# Altium PCB Layout.PcbDoc (part 1 of 4)
Units mil, origin at the board's own origin, x right, y up, seen from the top; angles counter-clockwise.
Board outline 10232.28 x 5133.86 mil, 4 copper layers (Top Layer, Mid 1, Mid 2, Bottom Layer), stack 23.756 mil thick; 494 components, 257 nets, 1544 pads, 835 vias.
Unrouted connection lines stored in the file: 4.
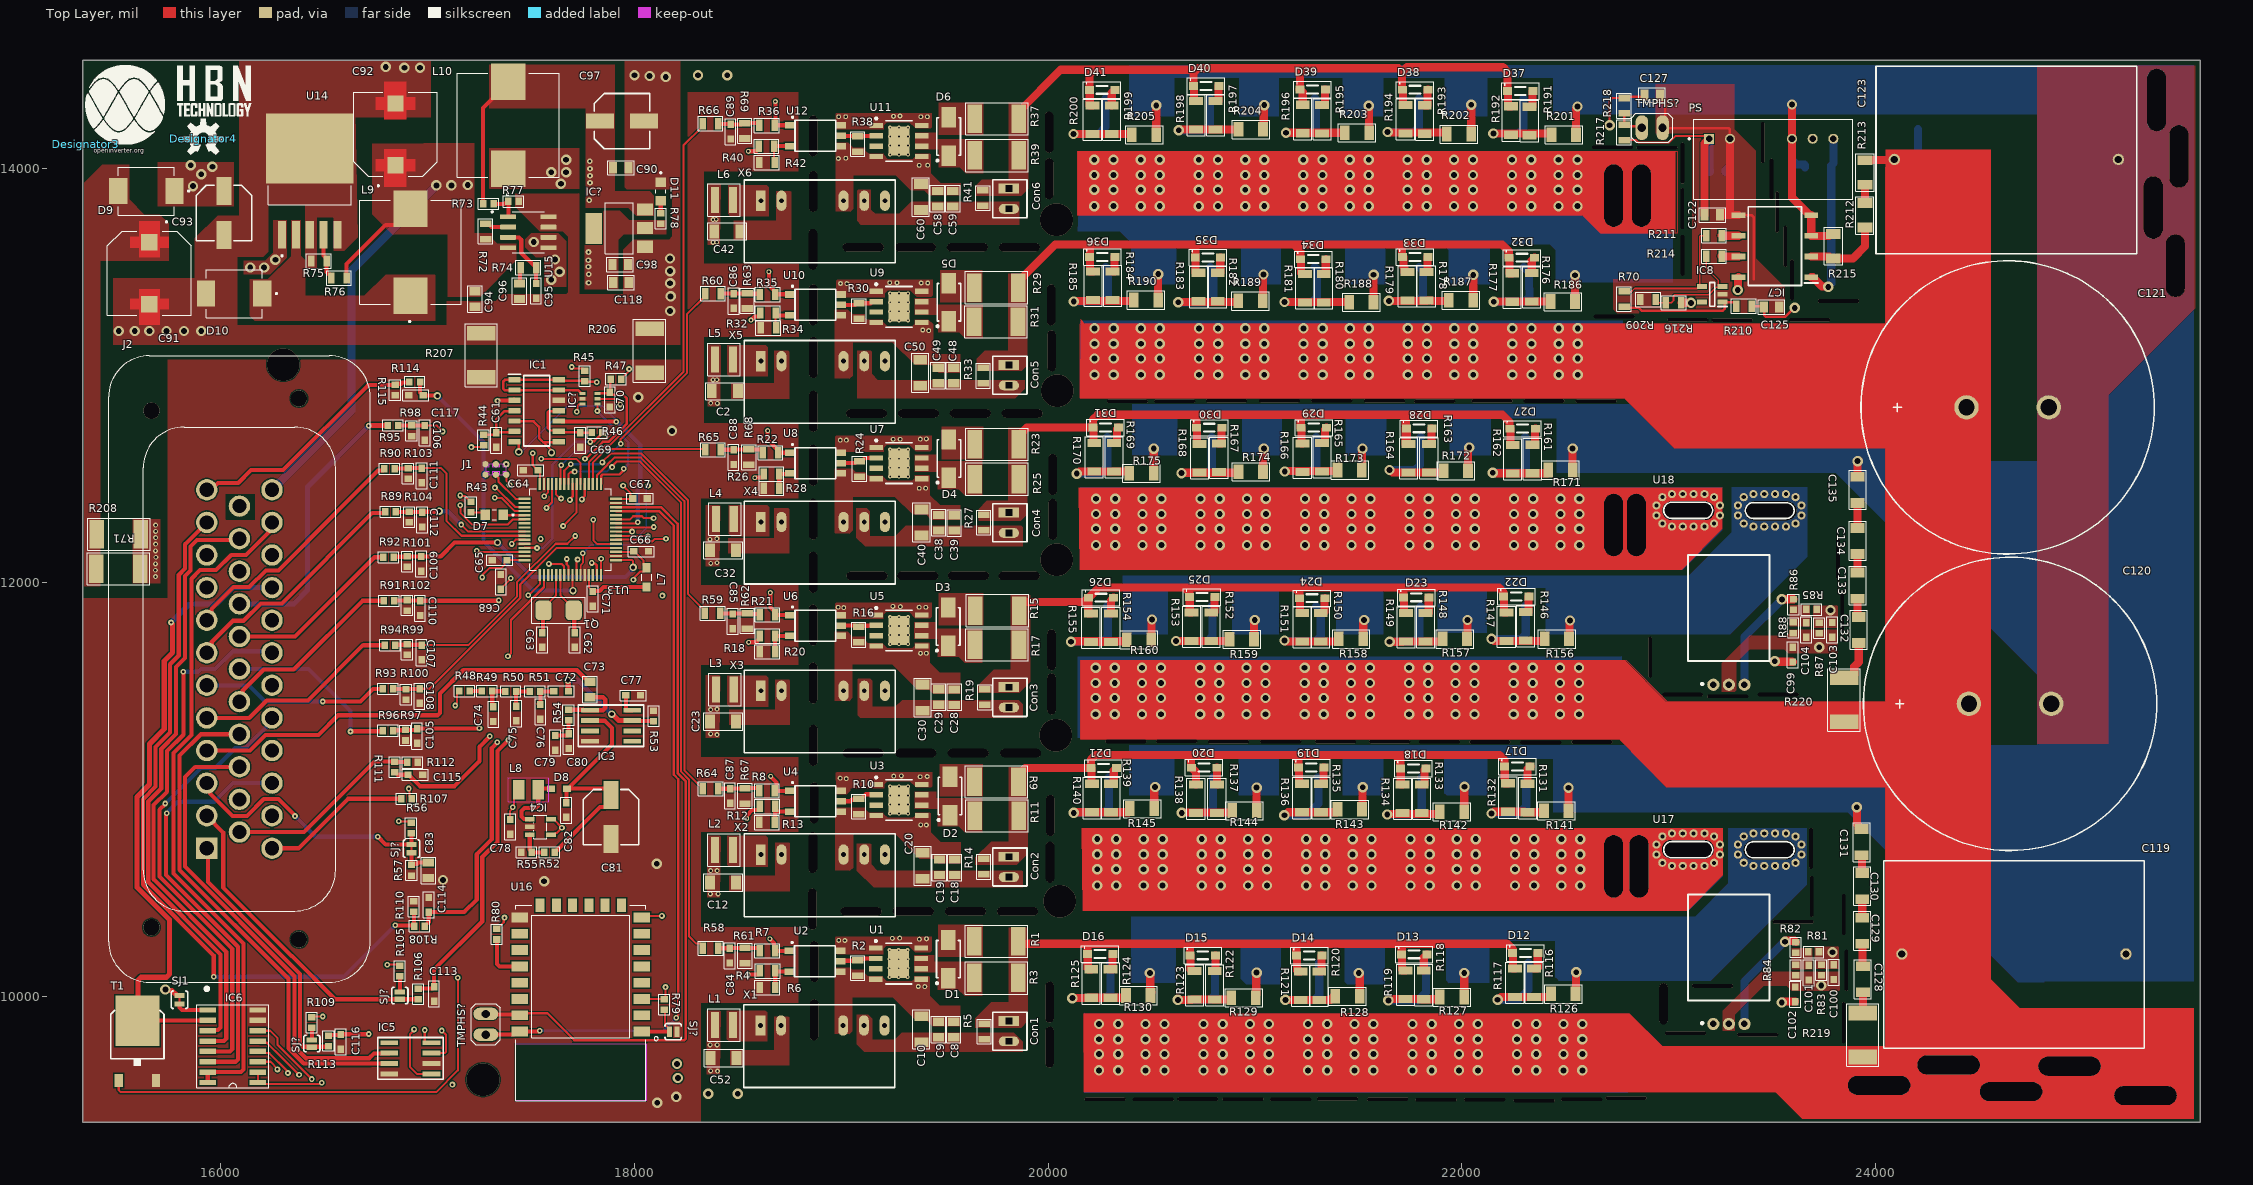
[diagram p0: Top Layer view]
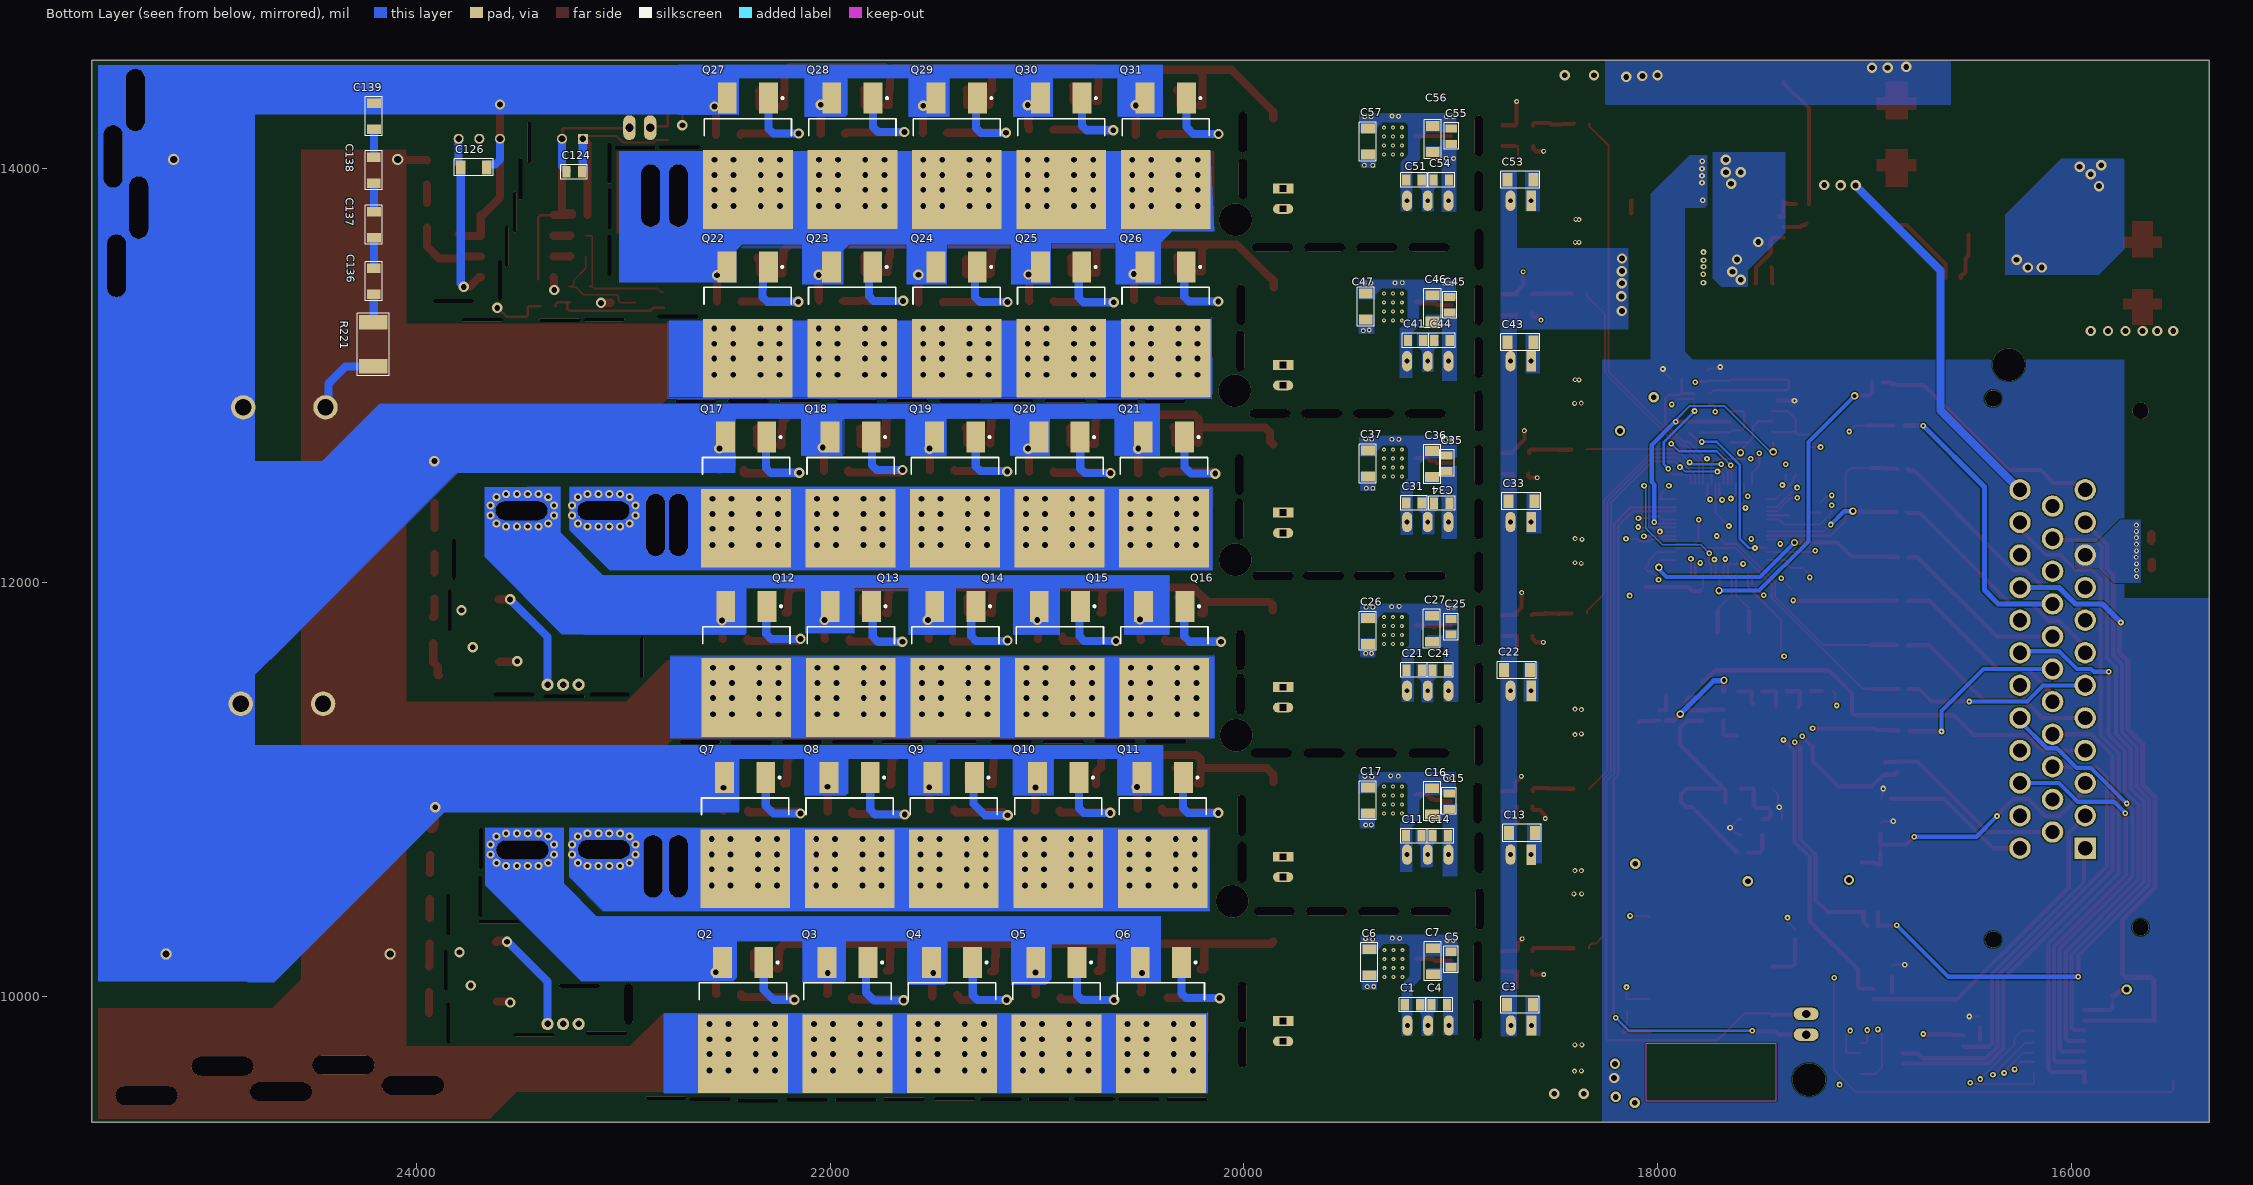
[diagram p1: Bottom Layer view, seen from below]
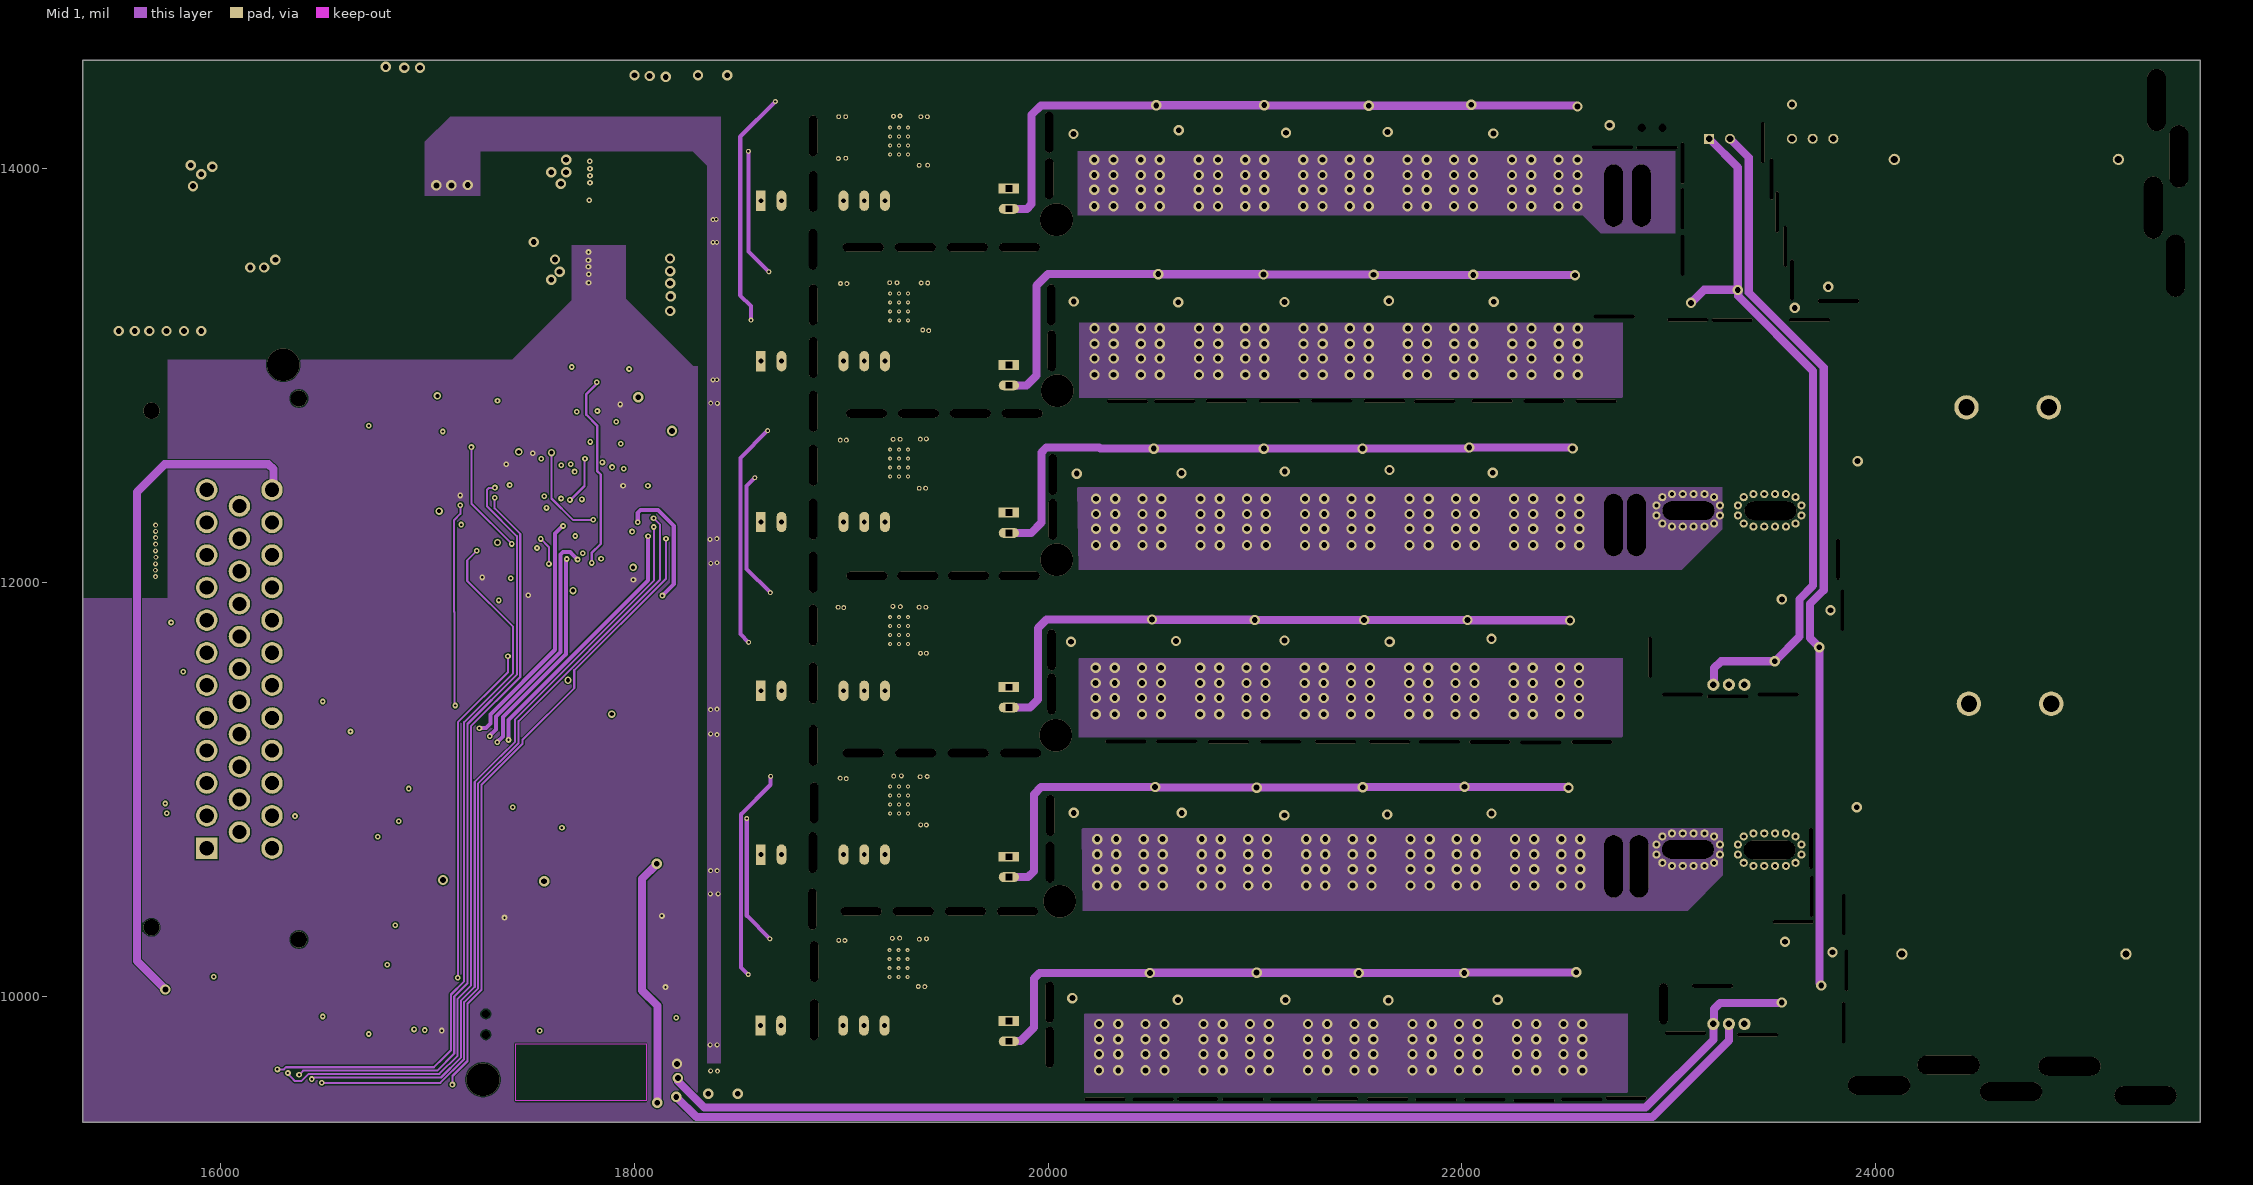
[diagram p2: Mid 1]
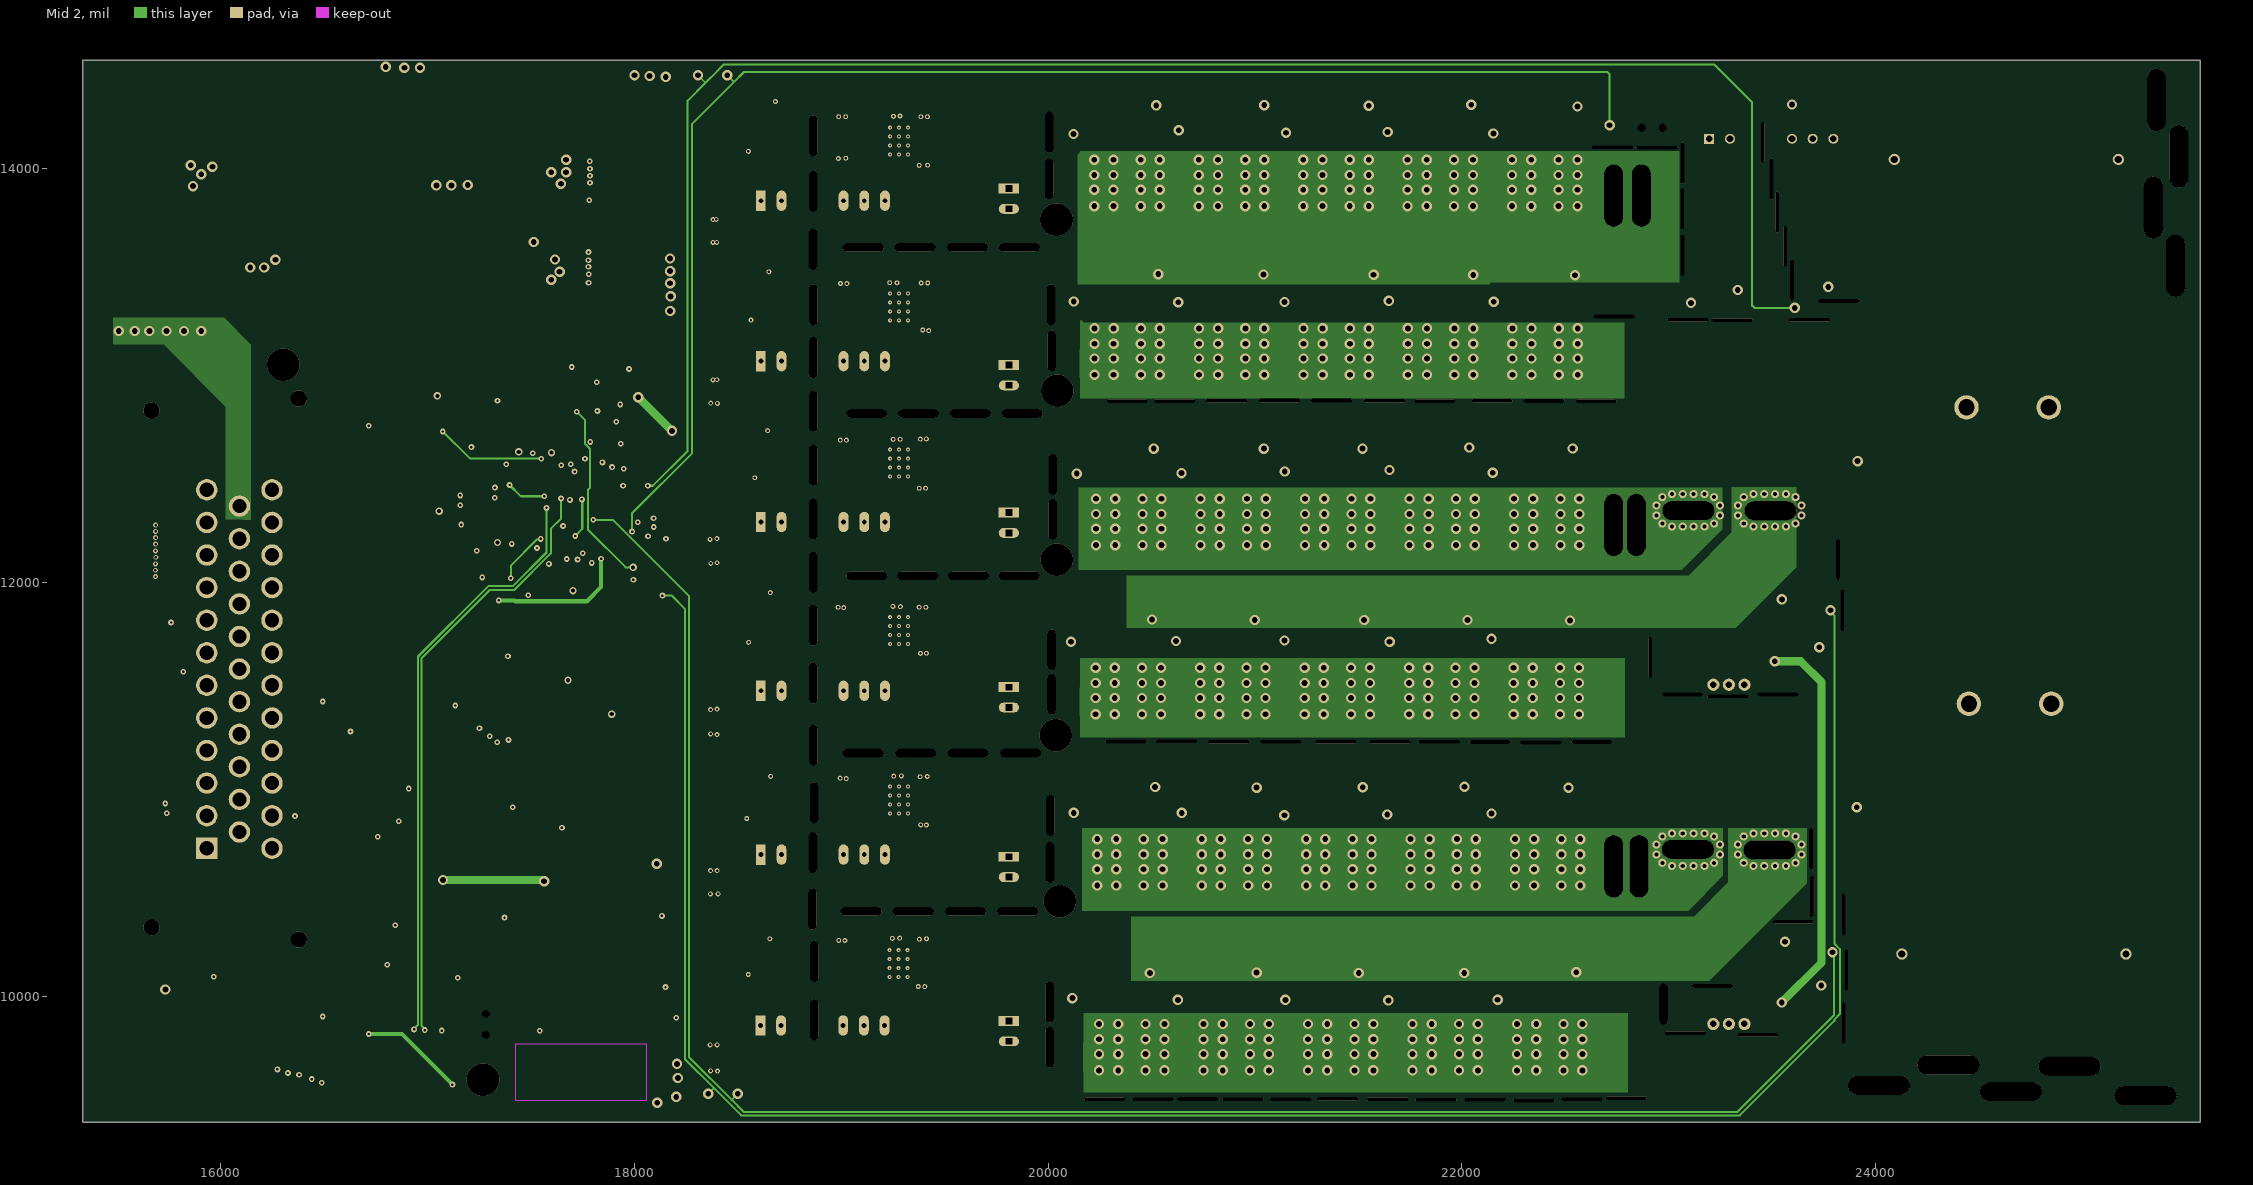
[diagram p3: Mid 2]
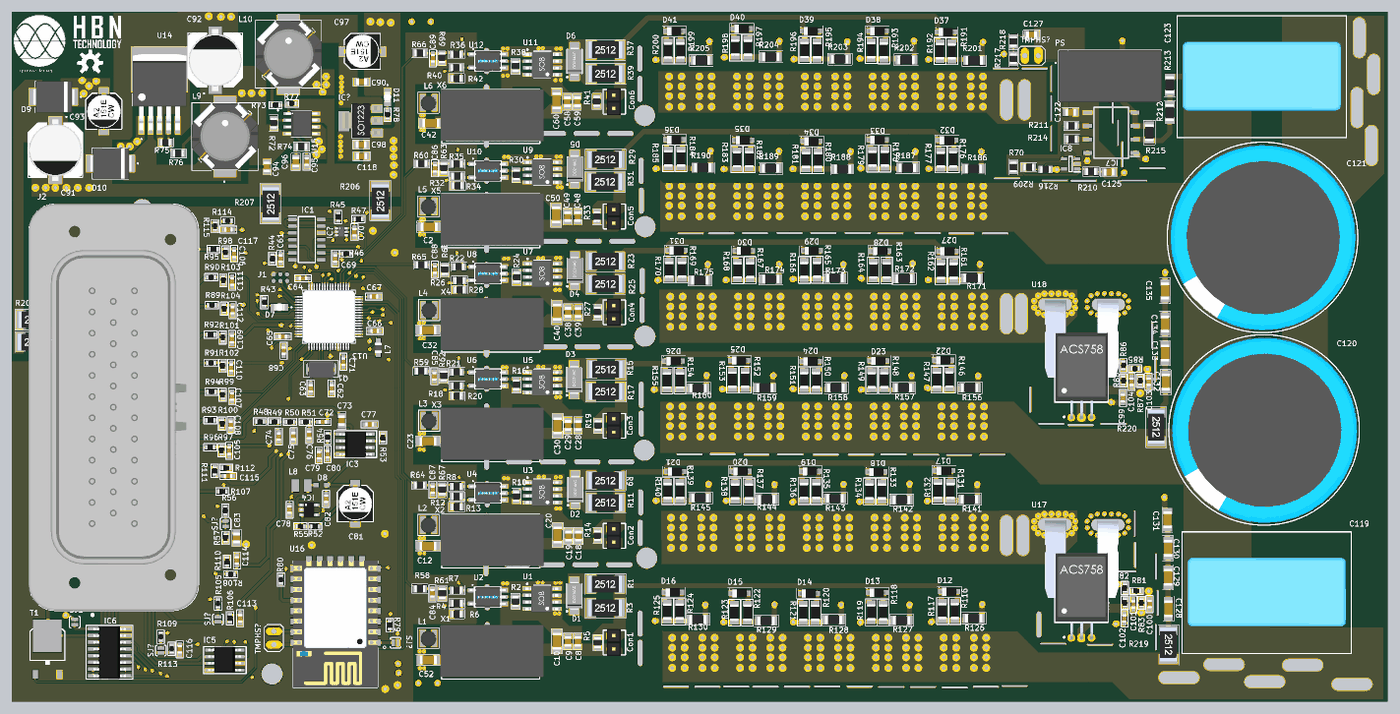
[diagram p7: 3D render of the assembled board from above, using the file's embedded part models]
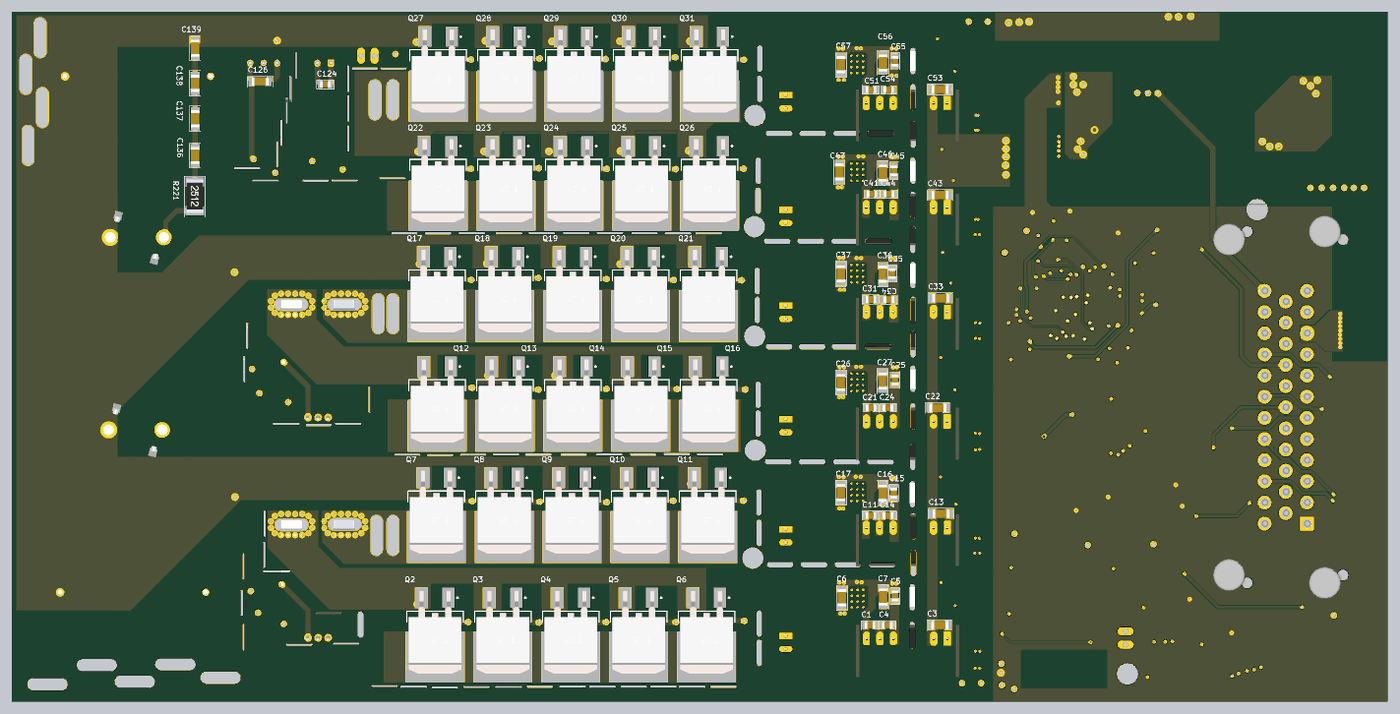
[diagram p8: 3D render of the assembled board from below, using the file's embedded part models]

## Layer stack, top to bottom
Top Solder: solder mask 0.4, Solder Resist, Dk 3.5
Top Layer: signal copper 1.4
Dielectric 2: prepreg 2.8, PP-006, Dk 4.1
Mid 1: signal copper 1.378
Dielectric 1: dielectric 12.6, FR-4, Dk 4.8
Mid 2: signal copper 1.378
Dielectric 3: prepreg 2.8, PP-006, Dk 4.1
Bottom Layer: signal copper 1.4
Bottom Solder: solder mask 0.4, Solder Resist, Dk 3.5

## Board outline
15334.65,9389.76 15334.65,14523.62 25566.93,14523.62 25566.93,9389.76

## Design rules (kind name [scope] priority, off if disabled: settings)
Clearance [All] p1: gap=5.98 ignorepadtopadclearanceinfootprint=FALSE except(0: Arc-Hole Track-Hole SMDPad-Hole THPad-Hole Via-Hole Fill-Hole Poly-Hole Region-Hole Text-Hole)
PolygonConnect PolygonConnect_1 [All] p1: connectstyle=Direct reliefconductorwidth=10 reliefentries=4 polygonreliefangle="90 Angle" airgapwidth=10
PolygonConnect [All] p2: connectstyle=Relief reliefconductorwidth=10 reliefentries=4 polygonreliefangle="90 Angle" airgapwidth=10
RoomDefinition "Current Voltage Sensors" [InComponentClass('Current Voltage Sensors')] p1: confinementstyle=ConfineIn formatcopy=TRUE lockcomponents=FALSE outline 0,0 2000,0 2000,1000 0,1000
RoomDefinition "Voltage Regulation" [InComponentClass('Voltage Regulation')] p2: confinementstyle=ConfineIn formatcopy=TRUE lockcomponents=FALSE outline 0,0 2000,0 2000,1000 0,1000
RoomDefinition "PWM Filter" [InComponentClass('PWM Filter')] p3: confinementstyle=ConfineIn formatcopy=TRUE lockcomponents=FALSE outline 0,0 2000,0 2000,1000 0,1000
RoomDefinition "Output Driver" [InComponentClass('Output Driver')] p4: confinementstyle=ConfineIn formatcopy=TRUE lockcomponents=FALSE outline 0,0 2000,0 2000,1000 0,1000
RoomDefinition Mosfets [InComponentClass('Mosfets')] p5: confinementstyle=ConfineIn formatcopy=TRUE lockcomponents=FALSE outline 0,0 2000,0 2000,1000 0,1000
RoomDefinition "Main MCU" [InComponentClass('Main MCU')] p6: confinementstyle=ConfineIn formatcopy=TRUE lockcomponents=FALSE outline 0,0 2000,0 2000,1000 0,1000
RoomDefinition "Input Filtering" [InComponentClass('Input Filtering')] p7: confinementstyle=ConfineIn formatcopy=TRUE lockcomponents=FALSE outline 0,0 2000,0 2000,1000 0,1000
RoomDefinition "Gate Driver 3" [InComponentClass('Gate Driver 3')] p8: confinementstyle=ConfineIn formatcopy=TRUE lockcomponents=FALSE outline 0,0 2000,0 2000,1000 0,1000
RoomDefinition "Gate Driver 2" [InComponentClass('Gate Driver 2')] p9: confinementstyle=ConfineIn formatcopy=TRUE lockcomponents=FALSE outline 0,0 2000,0 2000,1000 0,1000
RoomDefinition "Gate Driver 1" [InComponentClass('Gate Driver 1')] p10: confinementstyle=ConfineIn formatcopy=TRUE lockcomponents=FALSE outline 0,0 2000,0 2000,1000 0,1000
RoomDefinition Communication [InComponentClass('Communication')] p11: confinementstyle=ConfineIn formatcopy=TRUE lockcomponents=FALSE outline 0,0 2000,0 2000,1000 0,1000
RoomDefinition "Automotive Connector" [InComponentClass('Automotive Connector')] p12: confinementstyle=ConfineIn formatcopy=TRUE lockcomponents=FALSE outline 0,0 2000,0 2000,1000 0,1000
RoutingVias [All] p1: holewidth=28 width=50 viastyle="Through Hole" minholewidth=28 minwidth=50 maxholewidth=28 maxwidth=50
SolderMaskExpansion [All] p1: expansion=4 istentingtop=FALSE
Width [All] p1: maxlimit=39.37 minlimit=5.98 preferedwidth=10 minimp=50.000000 maximp=50.000000 favimp=50.000000
30 further rules are at their usual default settings.

## Classes and differential pairs
component class Mosfets: C119 C120 C121 C123 C128 C129 C130 C131 C132 C133 C134 C135 C136 C137 C138 C139 D12 D13 D14 D15 D16 D17 D18 D19 D20 D21 D22 D23 D24 D25 D26 D27 D28 D29 D30 D31 D32 D33 D34 D35 D36 D37 D38 D39 D40 D41 D? Q2 Q3 Q4 Q5 Q6 Q7 Q8 Q9 Q10 Q11 Q12 Q13 Q14 Q15 Q16 Q17 Q18 Q19 Q20 Q21 Q22 Q23 Q24 Q25 Q26 Q27 Q28 Q29 Q30 Q31 R116 R117 R118 R119 R120 R121 R122 R123 R124 R125 R126 R127 R128 R129 R130 R131 R132 R133 R134 R135 R136 R137 R138 R139 R140 R141 R142 R143 R144 R145 R146 R147 R148 R149 R150 R151 R152 R153 R154 R155 R156 R157 R158 R159 R160 R161 R162 R163 R164 R165 R166 R167 R168 R169 R170 R171 R172 R173 R174 R175 R176 R177 R178 R179 R180 R181 R182 R183 R184 R185 R186 R187 R188 R189 R190 R191 R192 R193 R194 R195 R196 R197 R198 R199 R200 R201 R202 R203 R204 R205 R219 R220 R221
component class "Input Filtering": C105 C106 C107 C108 C109 C110 C111 C112 C113 C114 C115 C116 C117 R89 R90 R91 R92 R93 R94 R95 R96 R97 R98 R99 R100 R101 R102 R103 R104 R105 R106 R107 R108 R109 R110 R111 R112 R113 R114 R115 SJ?
component class "Current Voltage Sensors": C99 C100 C101 C102 C103 C104 C122 C124 C125 C126 C127 IC7 IC8 PS R70 R81 R82 R83 R84 R85 R86 R87 R88 R209 R210 R211 R212 R213 R214 R215 R216 R217 R218 TMPHS? U17 U18
component class "Voltage Regulation": C90 C91 C92 C93 C94 C95 C96 C97 C98 C118 D9 D10 D11 IC? L9 L10 R71 R72 R73 R74 R75 R76 R77 R78 R206 R207 R208 U14 U15
component class "PWM Filter": C84 C85 C86 C87 C88 C89 R58 R59 R60 R61 R62 R63 R64 R65 R66 R67 R68 R69
component class "Output Driver": IC6 SJ1 T1
component class Communication: IC5 R79 R80 SJ? TMPHS? U16
component class "Automotive Connector": C83 J2 R56 R57 SJ?
component class "Main MCU": C61 C62 C63 C64 C65 C66 C67 C68 C69 C70 C71 C72 C73 C74 C75 C76 C77 C78 C79 C80 C81 C82 D7 D8 IC1 IC3 IC4 IC? J1 L7 L8 Q1 R43 R44 R45 R46 R47 R48 R49 R50 R51 R52 R53 R54 R55 U13
component class "Gate Driver 3": C41 C42 C43 C44 C45 C46 C47 C48 C49 C50 C51 C52 C53 C54 C55 C56 C57 C58 C59 C60 Con5 Con6 D5 D6 L5 L6 R29 R30 R31 R32 R33 R34 R35 R36 R37 R38 R39 R40 R41 R42 U9 U10 U11 U12 X5 X6
component class "Gate Driver 2": C21 C22 C23 C24 C25 C26 C27 C28 C29 C30 C31 C32 C33 C34 C35 C36 C37 C38 C39 C40 Con3 Con4 D3 D4 L3 L4 R15 R16 R17 R18 R19 R20 R21 R22 R23 R24 R25 R26 R27 R28 U5 U6 U7 U8 X3 X4
component class "Gate Driver 1": C1 C2 C3 C4 C5 C6 C7 C8 C9 C10 C11 C12 C13 C14 C15 C16 C17 C18 C19 C20 Con1 Con2 D1 D2 L1 L2 R1 R2 R3 R4 R5 R6 R7 R8 R9 R10 R11 R12 R13 R14 U1 U2 U3 U4 X1 X2
